# KiCad board PCB.kicad_pcb (continued)
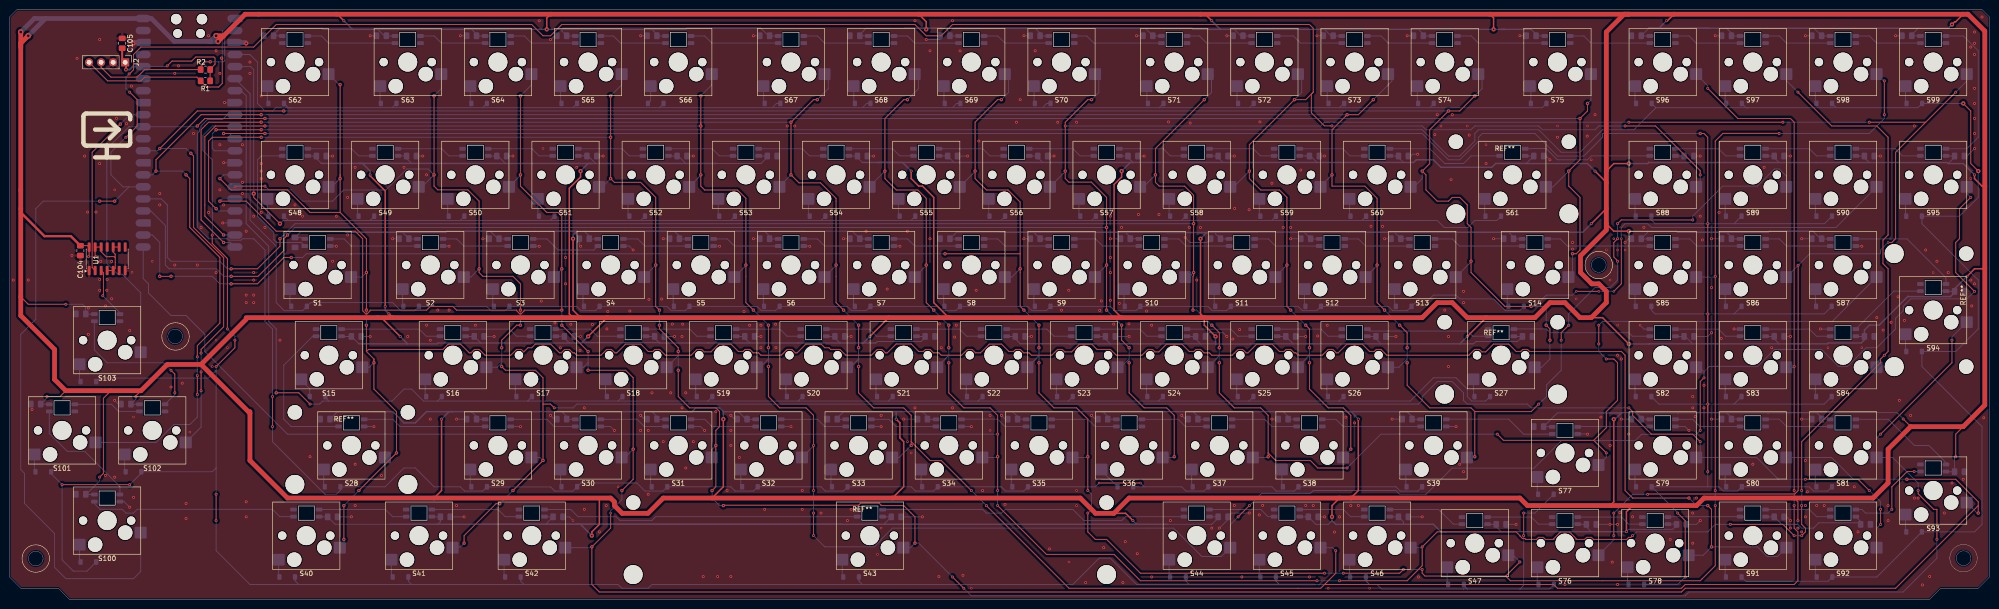
[diagram p0: board, top side]
## Routing (per net, layer and track width the routed paths; a pad name or vN(x,y) marks a point on that pad's centre or on a via; arc(x,y) is an arc through that point) (continued)
COL 9: length 527.6
  Top w0.2: v1(337.32,50.8) 338.91,50.8 339.7,50 339.7,42.07 337.32,39.69 337.32,36.28 334.66,33.62 ; v1(335.74,57.94) v1(335.74,53.97) ; v3(252.4,105.56) 242.08,95.24 v3(242.08,89.69) 242.08,88.1 242.87,87.31 248.22,87.31 250.14,85.39 v3(250.14,79.37) v3(250.14,69.05) 250.14,68.39 250.02,68.26 v3(250.02,61.11) ; v1(282.56,27.78) 276.38,27.78 274.79,29.37 267.48,29.37 265.89,30.95 ; v3(255.57,50) 255.57,43.65 258.75,40.48 264.3,40.48 265.89,38.89 265.89,30.95 ; 334.66,33.62 315.61,33.62 v1(314.31,34.92) ; 334.66,33.62 v1(337.32,30.95) ; v3(57.15,76.2) 57.15,74.61 52.38,69.85 v3(46.83,69.85) ; 265.89,30.95 v3(265.89,30.16) ; v3(253.98,57.94) 255.57,56.35 v3(255.57,53.18)
  Bottom w0.2: v1(335.74,53.97) 335.74,52.38 v1(337.32,50.8) ; v1(282.56,27.78) 289.7,34.92 v1(314.31,34.92) ; S77.1 337.32,30.06 v1(337.32,30.95) ; S37.1 265.73,30 v3(265.89,30.16) ; A1.25 32.07,84.61 33.34,83.34 33.34,72.23 34.13,71.43 44.45,71.43 46.03,69.85 v3(46.83,69.85) ; v1(335.74,57.94) 336.53,58.73 385.04,58.73 S87.1 ; 253.92,110.96 253.92,107.09 v3(252.4,105.56) ; S57.1 239.54,87.15 v3(242.08,89.69) ; v3(250.02,61.11) 250.81,61.11 v3(253.98,57.94) ; 255.57,51.49 v3(255.57,50) ; 255.57,51.49 S24.1 ; 255.57,51.49 v3(255.57,53.18) ; v3(250.14,79.37) 60.32,79.37 v3(57.15,76.2) ; S10.1 249.19,68.1 v3(250.14,69.05)
COL 10: length 649.8
  Top w0.2: 279.33,100.01 v1(279.35,100.03) 277.77,100.03 275.02,102.78 275.02,106.75 275.41,107.15 ; 275.41,107.15 273.83,105.56 v3(271.45,105.56) 261.92,96.04 v3(261.92,90.48) 261.92,88.89 264.33,86.48 268.3,86.48 269.86,84.93 v3(269.86,70.64) 269.86,61.91 v3(270.65,61.11) ; 275.41,107.15 275.41,120.64 274.62,121.44 199.22,121.44 196.84,119.06 193.66,119.06 191.28,121.44 116.67,121.44 114.29,119.06 112.71,119.06 110.32,121.44 56.35,121.44 51.59,116.67 27.78,116.67 26.19,115.09 26.19,111.86 25.33,111 v1(25.28,111) ; v3(274.62,53.18) 274.62,57.15 v3(273.83,57.94) ; v3(274.62,50) 274.62,44.45 278.59,40.48 281.76,40.48 283.35,38.89 v3(283.35,31.75) ; v1(25.4,107.15) 26.99,105.56 26.99,100.01 v1(24.6,97.63) ; v1(341.29,100.01) 347.72,100.01 357.17,90.56 v1(357.17,89.69) ; v3(19.04,84.13) v3(22.22,84.13)
  Bottom w0.2: S100.1 27.72,5.94 26.19,4.41 11.91,4.41 9.52,6.79 9.52,13.94 3.17,20.29 3.17,26.64 2.38,27.43 2.38,56 5.56,59.18 5.56,82.54 7.14,84.13 v3(19.04,84.13) ; S58.1 258.59,87.15 v3(261.92,90.48) ; 25.24,87.15 23.97,87.15 21.43,89.69 21.43,94.45 v1(24.6,97.63) ; 25.24,87.15 v3(22.22,84.13) ; 25.24,87.15 A1.26 ; v3(270.65,61.11) v3(273.83,57.94) ; 272.97,110.96 272.97,107.09 v3(271.45,105.56) ; v1(357.17,89.69) 357.17,88 S88.1 ; S38.1 283.35,31.65 v3(283.35,31.75) ; S11.1 267.43,68.21 v3(269.86,70.64) ; S25.1 272.18,49.15 274.62,51.59 ; v3(274.62,53.18) 274.62,51.59 ; 274.62,51.59 v3(274.62,50) ; v1(341.29,100.01) 335.74,100.01 334.94,99.21 323.83,99.21 323.04,100.01 309.54,100.01 308.75,99.21 299.22,99.21 298.43,100.01 279.38,100.01 v1(279.35,100.03) ; v1(25.28,111) 24.6,110.32 24.6,107.94 v1(25.4,107.15)
COL 11: length 575.5
  Top w0.2: v1(39.69,51.24) 39.69,53.62 44.45,58.38 44.45,72.23 38.1,78.58 38.1,88.89 v3(37.3,89.69) ; v1(339.7,71.43) 339.7,71.55 338.91,72.34 338.91,75.4 v1(339.7,76.2) ; v1(355.58,80.16) 340.5,80.16 v1(339.7,79.37) ; v1(323.04,41.27) 321.45,39.69 309.54,39.69 ; v3(295.26,50) 295.26,45.24 300.02,40.48 308.75,40.48 309.54,39.69 ; v3(295.26,53.18) 295.26,56.35 v3(293.67,57.94) ; v1(327.8,54.77) 327.8,56.35 v1(329.39,57.94) ; v3(309.54,30.16) 309.54,39.69 ; v3(290.49,61.11) 288.91,62.7 288.91,84.72 286.32,87.31 279.38,87.31 v3(279.38,89.69) 279.38,99.21 v3(282.56,102.39) 284.94,102.39 v3(288.11,105.56) ; v1(39.69,43.3) v1(39.69,47.27) ; v3(53.18,102.39) 40.48,102.39 30.95,92.86 v3(30.95,90.48)
  Bottom w0.2: S101.1 30.97,33.18 34.74,36.95 38.1,36.95 39.69,38.54 v1(39.69,43.3) ; v1(329.39,57.94) 329.39,60.32 334.94,65.88 338.12,65.88 339.7,67.46 v1(339.7,71.43) ; 295.26,50.8 293.51,49.05 291.23,49.05 ; 295.26,50.8 v3(295.26,53.18) ; 295.26,50.8 v3(295.26,50) ; v3(288.11,105.56) 292.02,109.47 292.02,110.96 ; v3(282.56,102.39) v3(53.18,102.39) ; v1(355.58,80.16) 355.58,80.96 361.93,87.31 369.22,87.31 372.83,90.91 373.86,90.91 375.36,89.42 S89.1 ; v1(39.69,47.27) v1(39.69,51.24) ; v3(290.49,61.11) v3(293.67,57.94) ; A1.27 30.16,89.69 v3(30.95,90.48) 36.51,90.48 v3(37.3,89.69) ; v3(279.38,89.69) 276.94,87.25 S59.1 ; S12.1 288.91,70.53 ; v3(309.54,30.16) 308.06,30.16 S39.1 ; v1(339.7,79.37) v1(339.7,76.2) ; v1(327.8,54.77) 327.8,48.42 324.71,45.33 324.71,44.36 324.69,44.34 324.69,42.86 323.9,42.07 323.83,42.07 v1(323.04,41.27)
  vias: v3(288.91,70.64)
COL 12: length 543.6
  Top w0.2: v3(321.45,61.91) 315.89,61.91 308.75,69.05 308.75,78.58 307.96,79.37 307.96,83.34 306.37,84.93 304.78,84.93 303.99,84.13 301.61,84.13 299.22,86.51 299.22,89.69 v3(298.43,90.48) 300.02,92.07 300.02,99.21 v3(303.99,103.18) 306.37,103.18 v3(309.54,106.36) ; v3(31.75,95.24) 39.69,103.18 v3(57.94,103.18) ; v3(324.62,57.94) 325.42,57.15 v3(325.42,54.77) ; v3(38.32,94.23) 38.89,93.66 38.89,78.58 45.24,72.23 45.24,57.59 40.48,52.83 v1(40.48,52.03) ; v2(330.97,65.08) v2(335.74,65.08) ; v2(338.91,65.08) 340.5,66.67 v2(340.5,76.2) ; v1(40.48,44.1) v1(40.48,48.07)
  Bottom w0.2: v1(40.48,44.1) 40.48,36.41 S102.1 ; 322.24,61.91 323.83,61.91 324.62,61.11 v3(324.62,57.94) ; 322.24,61.91 324.62,64.29 330.18,64.29 v2(330.97,65.08) ; 322.24,61.91 v3(321.45,61.91) ; v3(325.42,54.77) 325.42,50.8 323.67,49.05 S27.1 ; S13.1 308.75,71.32 v3(308.75,71.43) ; v3(298.43,90.48) 298.43,88.89 296.68,87.15 S60.1 ; v3(38.32,94.23) 37.3,95.24 v3(31.75,95.24) 31.27,94.77 A1.29 ; v3(303.99,103.18) v3(57.94,103.18) ; S90.1 385.84,78.58 346.85,78.58 346.05,79.37 341.29,79.37 340.5,78.58 v2(340.5,76.2) ; v1(40.48,48.07) v1(40.48,52.03) ; 311.07,110.96 311.07,107.88 v3(309.54,106.36) ; v2(338.91,65.08) v2(335.74,65.08)
COL 13: length 413.8
  Top w0.2: v3(53.97,101.59) 41.27,101.59 v3(39.69,100.01) ; v3(333.35,104.77) 333.35,103.18 v3(331.77,101.59) 331.77,92.86 v3(329.39,90.48) 329.39,87.31 331.77,84.93 331.77,73.81 330.97,73.02 v3(330.18,73.02)
  Bottom w0.2: v3(329.39,90.48) 326.05,87.15 S61.1 ; v3(333.35,104.77) 334.09,105.5 S75.1 ; v3(330.18,73.02) 330.18,68.95 S14.1 ; S103.1 27.72,64.79 23.81,68.7 22.9,68.7 20.57,71.04 20.57,95.18 25.24,99.85 A1.31 39.53,99.85 v3(39.69,100.01) ; v3(331.77,101.59) v3(53.97,101.59)
LED DATA: length 11
  Top w0.2: v1(19.71,64.15) 19.86,64.3 19.86,68.99 U1.3
  Bottom w0.2: D104.4 23.34,60.52 v1(19.71,64.15)
LED GPIO: length 39.3
  Top w0.2: U1.2 17.47,70.11 17.47,94.46 v3(23.41,100.4)
  Bottom w0.2: v3(23.41,100.4) 23.42,100.4 25.4,102.39 A1.32
O-SCL: length 37.9
  Top w0.2: v3(42.41,113.57) 41.4,113.57 40.39,112.56 R2.2 28.57,111.91 26.99,110.32 21.43,110.32 19.36,112.4 J2.3
  Bottom w0.2: v3(42.41,113.57) 45.25,113.57 45.46,113.77 45.46,119.41 46.22,120.17 A1.2
O-SDA: length 46.2
  Top w0.2: J2.4 20.73,109.53 27.78,109.53 28.57,110.32 39.59,110.32 R1.2 41.69,108.23 44.19,108.23 44.95,108.99 44.95,114.19 v3(44.81,114.33)
  Bottom w0.2: v3(44.81,114.33) 44.95,114.47 44.95,120.03 A1.1
ROW 0: length 308.1
  Bottom w0.2: D68.1 181.07,104.77 180.17,103.87 ; 261.92,103.87 262.82,104.77 D72.1 ; D73.1 281.87,104.77 280.97,103.87 ; 218.27,103.91 219.12,104.77 D70.1 ; 199.22,103.91 200.07,104.77 D69.1 ; 99.96,103.87 D64.1 ; 99.96,103.87 80.85,103.87 ; 99.96,103.87 119.01,103.87 119.09,103.94 ; D75.1 323.78,103.87 137.31,103.87 ; D66.1 138.17,104.72 137.31,103.87 ; 161.12,103.87 162.02,104.77 D67.1 ; 80.85,103.87 D63.1 ; 80.85,103.87 59.53,103.87 ; 242.87,103.87 243.77,104.77 D71.1 ; 137.31,103.87 119.16,103.87 119.09,103.94 ; 119.09,103.94 D65.1 ; 59.53,103.87 58.9,103.87 D62.1 ; 59.53,103.87 56.25,103.87 55.56,103.18 53.97,103.18 52.38,104.77 52.38,113.5 50.8,115.09 A1.4 ; 300.02,103.87 300.87,104.72 D74.1
ROW 1: length 315.4
  Top w0.2: v4(51.59,85.72) 51.59,84.93 v4(57.15,79.37)
  Bottom w0.2: 228.6,80.06 247.59,80.06 ; 228.6,80.06 209.43,80.06 ; 228.6,80.06 D57.1 ; 247.59,80.06 D58.1 ; 247.59,80.06 266.64,80.06 ; 266.64,80.06 D59.1 ; 266.64,80.06 285.69,80.06 ; 95.2,80.06 114.25,80.06 ; 95.2,80.06 76.3,80.06 76.23,80.13 ; 95.2,80.06 D50.1 ; 114.25,80.06 133.36,80.06 ; 114.25,80.06 D51.1 ; 209.43,80.06 D56.1 ; 209.43,80.06 190.44,80.06 ; 133.36,80.06 D52.1 ; 133.36,80.06 152.34,80.06 ; v4(51.59,85.72) 51.59,111.91 50.96,112.55 A1.5 ; 58.9,80.06 57.83,80.06 v4(57.15,79.37) ; 58.9,80.06 D48.1 ; 58.9,80.06 76.15,80.06 76.23,80.13 ; 190.44,80.06 D55.1 ; 190.44,80.06 171.46,80.06 ; 171.46,80.06 D54.1 ; 171.46,80.06 152.34,80.06 ; D61.1 314.2,80.06 309.54,80.06 308.06,78.58 303.09,78.58 301.61,80.06 285.69,80.06 ; 285.69,80.06 D60.1 ; 76.23,80.13 D49.1 ; 152.34,80.06 D53.1
ROW 2: length 327.9
  Bottom w0.2: D14.1 319.02,61.01 316,61.01 313.51,63.5 306.37,63.5 305.57,64.29 300.81,64.29 300.02,63.5 297.76,63.5 D13.1 295.27,61.01 292.19,61.01 291.29,61.91 D12.1 276.16,61.01 273.14,61.01 272.24,61.91 D11.1 257.11,61.01 254.09,61.01 253.19,61.91 D10.1 238,61.01 233.46,61.01 232.55,61.91 D9.1 219.02,61.01 215.99,61.01 215.09,61.91 D8.1 199.9,61.01 196.94,61.01 196.04,61.91 D7.1 180.98,61.01 177.9,61.01 177,61.91 D6.1 161.81,61.01 158.85,61.01 157.95,61.91 D5.1 142.76,61.01 139.8,61.01 138.9,61.91 D4.1 123.77,61.01 120.75,61.01 119.85,61.91 D3.1 104.72,61.01 101.7,61.01 100.8,61.91 D2.1 85.61,61.01 82.65,61.01 80.96,62.7 63.62,62.7 D1.1 61.93,61.01 58.05,61.01 56.35,62.7 56.35,74.61 50.84,80.12 50.84,106.8 A1.6
ROW 3: length 349.2
  Top w0.2: v1(63.5,41.27) 61.11,43.65 v3(56.35,43.65)
  Bottom w0.2: 185.63,41.91 166.83,41.91 166.71,42.04 ; 185.63,41.91 204.62,41.91 ; 185.63,41.91 D21.1 ; 67.46,41.91 66.16,41.91 65.52,41.27 v1(63.5,41.27) ; 67.46,41.91 66.73,42.64 D15.1 ; 67.46,41.91 80.8,41.91 83.34,44.45 84.93,44.45 87.46,41.91 90.39,41.91 ; 147.53,41.91 166.58,41.91 166.71,42.04 ; 147.53,41.91 D19.1 ; 147.53,41.91 128.55,41.91 ; 261.83,41.91 D25.1 ; 261.83,41.91 280.87,41.91 ; 261.83,41.91 242.71,41.91 ; 280.87,41.91 295.89,41.91 300.81,46.83 305.57,46.83 307.96,44.45 307.96,42.86 308.91,41.91 311.83,41.91 D27.1 ; 280.87,41.91 D26.1 ; v3(56.35,43.65) 56.35,57.15 54.77,58.73 54.77,74.61 50,79.37 50,106.36 48.89,107.47 A1.7 ; 128.55,41.91 109.69,41.91 109.56,42.04 ; 128.55,41.91 D18.1 ; 90.39,41.91 109.43,41.91 109.56,42.04 ; 90.39,41.91 D16.1 ; 204.62,41.91 D22.1 ; 204.62,41.91 223.66,41.91 ; 166.71,42.04 D20.1 ; 109.56,42.04 D17.1 ; 242.71,41.91 D24.1 ; 242.71,41.91 223.66,41.91 ; 223.66,41.91 D23.1
ROW 4: length 350.5
  Top w0.2: v2(230.17,24.6) v2(238.9,24.6) ; v1(55.56,42.86) v1(55.56,36.51)
  Bottom w0.2: D36.1 239.7,23.81 ; 239.7,23.81 247.63,23.81 248.54,22.91 252.35,22.91 D37.1 266.68,23.81 267.58,22.91 271.4,22.91 D38.1 292.88,23.81 293.78,22.91 297.53,22.91 D39.1 ; 239.7,23.81 v2(238.9,24.6) ; v2(230.17,24.6) 229.38,23.81 D35.1 214.25,22.91 210.44,22.91 209.54,23.81 D34.1 195.2,22.91 191.39,22.91 190.49,23.81 D33.1 176.16,22.91 172.34,22.91 171.44,23.81 D32.1 157.17,22.91 153.29,22.91 152.39,23.81 D31.1 138.06,22.91 134.24,22.91 132.55,24.6 120.7,24.6 D30.1 119.01,22.91 115.19,22.91 114.29,23.81 114.26,23.78 100.89,23.78 D29.1 99.96,22.91 96.15,22.91 95.24,23.81 89.69,23.81 85.72,27.78 83.34,27.78 79.37,23.81 D28.1 69.91,23.08 69.05,22.22 66.67,22.22 55.56,33.34 v1(55.56,36.51) ; A1.9 46.03,102.39 45.02,101.37 41.85,101.37 40.48,100.01 40.48,99.69 40.13,99.34 40.13,98.86 39.69,98.42 39.69,78.58 42.07,76.2 46.06,76.2 46.37,75.89 48.88,75.89 49.19,76.2 51.59,76.2 53.97,73.81 53.97,58.73 55.56,57.15 v1(55.56,42.86)
ROW 5: length 526.9
  Top w0.2: v1(11.11,24.26) v1(25.4,24.26) ; v1(43.65,49.21) 47.62,53.18 v1(47.62,54.77) ; v1(319.86,18.26) v1(319.86,13.49) ; v1(43.65,16.67) v1(43.65,22.22) ; v1(42.83,76.96) 42.83,75.2 46.03,72 v1(46.03,57.15)
  Bottom w0.2: D100.1 16.38,6 13.49,6 11.11,8.38 v1(11.11,24.26) 8.79,26.57 D101.1 ; 268.27,3.17 267.54,3.91 D45.1 ; 268.27,3.17 249.22,3.17 ; 268.27,3.17 287.32,3.17 ; D46.1 286.52,3.97 287.32,3.17 ; 326.27,2.92 D76.1 325.29,2.19 319.07,2.19 ; D103.1 19.05,46.77 42.01,46.77 43.65,48.42 ; 249.22,3.17 238.11,3.17 232.55,8.73 230.17,8.73 224.62,3.17 180.17,3.17 ; 249.22,3.17 248.49,3.91 D44.1 ; D40.1 60.32,3.97 61.11,3.17 68.26,3.17 ; v1(319.86,13.49) 319.86,2.98 319.07,2.19 ; 43.65,48.42 v1(43.65,49.21) ; 43.65,48.42 43.65,27.78 ; 68.26,3.17 50.8,3.17 43.65,10.32 v1(43.65,16.67) ; 68.26,3.17 84.93,3.17 ; D42.1 108,3.91 108.74,3.17 ; v1(46.03,57.15) 47.62,55.56 v1(47.62,54.77) ; 287.32,3.17 288.91,3.17 289.89,2.19 307.96,2.19 ; v1(25.4,24.26) 27.84,26.7 D102.1 42.86,26.99 43.65,27.78 ; 180.17,3.17 179.44,3.91 D43.1 ; 180.17,3.17 135.72,3.17 134.93,2.38 129.37,2.38 128.58,3.17 108.74,3.17 ; D47.1 307.22,2.92 307.96,2.19 ; 319.07,2.19 307.96,2.19 ; 108.74,3.17 84.93,3.17 ; D77.1 322.24,18.26 v1(319.86,18.26) ; v1(43.65,22.22) 43.65,27.78 ; v1(42.83,76.96) 42.86,76.99 42.86,92.86 40.89,94.84 40.89,98.03 42.86,100.01 47.47,100.01 A1.10 ; 84.93,3.17 84.26,3.84 D41.1 ; 18.26,45.69 18.21,45.73
ROW 6: length 600.8
  Top w0.2: 358.75,78.58 358.75,97.63 357.96,98.42 v3(357.17,98.42) ; 358.75,78.58 358.75,58.73 ; 358.75,78.58 v1(358.75,79.37) ; 358.75,39.69 358.75,58.73 ; 358.75,39.69 v1(358.75,41.27) ; 358.75,39.69 v1(358.75,26.99) ; 358.75,58.73 v1(358.75,60.32) ; v3(53.97,98.42) v3(45.24,98.42) ; v1(352.4,18.26) 353.99,16.67 v1(353.99,4.76)
  Bottom w0.2: 364.31,41.27 D83.1 ; 364.31,41.27 v1(358.75,41.27) 348.43,41.27 D82.1 ; 364.31,41.27 383.36,41.27 D84.1 ; 358.75,23.81 361.13,23.81 362.03,22.91 365.06,22.91 D80.1 380.18,23.81 381.08,22.91 384.1,22.91 D81.1 ; 358.75,23.81 v1(358.75,26.99) ; 358.75,23.81 D79.1 352.4,18.32 v1(352.4,18.26) ; 364.31,79.37 D89.1 ; 364.31,79.37 v1(358.75,79.37) 347.64,79.37 346.85,80.16 D88.1 ; 364.31,79.37 383.42,79.37 D90.1 ; 364.31,60.32 383.36,60.32 D87.1 ; 364.31,60.32 D86.1 ; 364.31,60.32 v1(358.75,60.32) 347.64,60.32 346.85,61.12 D85.1 ; v3(53.97,98.42) 298.43,98.42 303.99,92.86 306.37,92.86 310.34,96.83 310.34,97.63 311.13,98.42 322.24,98.42 327,93.66 332.56,93.66 336.53,97.63 336.53,98.42 v3(357.17,98.42) ; D78.1 352.4,3.17 v1(353.99,4.76) ; A1.11 46.52,98.42 v3(45.24,98.42)
ROW 7: length 569.7
  Top w0.2: v4(412.72,104.77) 414.31,103.18 414.31,92.07 v4(415.9,90.48) ; v3(53.18,99.21) v3(43.65,99.21)
  Bottom w0.2: v4(415.9,90.48) 415.9,84.93 411.93,80.96 D95.1 403.99,79.37 415.9,67.46 415.9,57.15 411.14,52.38 D94.1 403.99,49.21 416.69,36.51 416.69,15.87 415.11,14.29 D93.1 394.47,4.76 D92.1 384.17,3.86 366.8,3.86 D91.1 ; 367.48,103.87 366.86,103.87 D97.1 ; 367.48,103.87 385.63,103.87 385.77,104.01 ; 367.48,103.87 347.81,103.87 ; 385.77,104.01 D98.1 ; 385.77,104.01 385.91,103.87 403.15,103.87 D99.1 v4(412.72,104.77) ; v3(43.65,99.21) 42.86,98.42 42.86,95.24 43.34,94.77 A1.12 ; 347.81,103.87 343.15,99.21 336.53,99.21 331.77,94.45 327.8,94.45 323.04,99.21 310.34,99.21 309.54,98.42 309.54,96.83 306.37,93.66 303.99,93.66 298.43,99.21 v3(53.18,99.21) ; 347.81,103.87 D96.1
Net-(D1-A): length 3.8
  Bottom w0.2: S1.2 59.24,62.19 D1.2
Net-(D2-A): length 3.7
  Bottom w0.2: D2.2 83.05,62.07 S2.2
Net-(D3-A): length 3.7
  Bottom w0.2: D3.2 102.1,62.13 S3.2
Net-(D4-A): length 3.7
  Bottom w0.2: S4.2 121.15,62.13 D4.2
Net-(D5-A): length 3.7
  Bottom w0.2: S5.2 140.2,62.07 D5.2
Net-(D6-A): length 3.7
  Bottom w0.2: D6.2 159.25,62.06 S6.2
Net-(D7-A): length 3.8
  Bottom w0.2: D7.2 178.3,62.19 S7.2
Net-(D8-A): length 3.7
  Bottom w0.2: S8.2 197.35,62.06 D8.2
Net-(D9-A): length 3.7
  Bottom w0.2: S9.2 216.4,62.12 D9.2
Net-(D10-A): length 3.7
  Bottom w0.2: D10.2 235.45,62.06 S10.2
Net-(D11-A): length 3.7
  Bottom w0.2: D11.2 254.5,62.12 S11.2
Net-(D12-A): length 3.7
  Bottom w0.2: S12.2 273.55,62.12 D12.2
Net-(D13-A): length 3.8
  Bottom w0.2: S13.2 292.6,62.18 D13.2
Net-(D14-A): length 3.7
  Bottom w0.2: S14.2 316.4,62.13 D14.2
Net-(D15-A): length 4.5
  Bottom w0.2: S15.2 61.62,46.32 63.5,44.45 63.43,44.38 D15.2
Net-(D16-A): length 3.7
  Bottom w0.2: S16.2 87.81,43.08 D16.2
Net-(D17-A): length 3.7
  Bottom w0.2: S17.2 106.86,43.08 D17.2
Net-(D18-A): length 3.8
  Bottom w0.2: D18.2 125.91,43.15 S18.2
Net-(D19-A): length 3.7
  Bottom w0.2: S19.2 144.96,43.08 D19.2
Net-(D20-A): length 3.7
  Bottom w0.2: S20.2 164.01,43.08 D20.2
Net-(D21-A): length 3.7
  Bottom w0.2: D21.2 183.06,43.08 S21.2
Net-(D22-A): length 3.7
  Bottom w0.2: S22.2 202.11,43.02 D22.2
Net-(D23-A): length 3.7
  Bottom w0.2: D23.2 221.16,43.02 S23.2
Net-(D24-A): length 3.7
  Bottom w0.2: S24.2 240.2,43.02 D24.2
Net-(D25-A): length 3.7
  Bottom w0.2: D25.2 259.25,43.08 S25.2
Net-(D26-A): length 3.7
  Bottom w0.2: D26.2 278.3,43.08 S26.2
Net-(D27-A): length 3.7
  Bottom w0.2: D27.2 309.26,43.08 S27.2
Net-(D28-A): length 3.7
  Bottom w0.2: D28.2 66.38,24.03 S28.2
Net-(D29-A): length 3.7
  Bottom w0.2: S29.2 97.34,24.03 D29.2
Net-(D30-A): length 3.7
  Bottom w0.2: S30.2 116.39,24.03 D30.2
Net-(D31-A): length 3.7
  Bottom w0.2: D31.2 135.44,24.03 S31.2
Net-(D32-A): length 3.8
  Bottom w0.2: S32.2 154.48,24.1 D32.2
Net-(D33-A): length 3.7
  Bottom w0.2: S33.2 173.53,24.03 D33.2
Net-(D34-A): length 3.7
  Bottom w0.2: S34.2 192.58,24.03 D34.2
Net-(D35-A): length 3.7
  Bottom w0.2: D35.2 211.63,24.03 S35.2
Net-(D36-A): length 5.1
  Bottom w0.2: S36.2 230.68,27.21 D36.2
Net-(D37-A): length 3.7
  Bottom w0.2: D37.2 249.73,24.03 S37.2
Net-(D38-A): length 3.7
  Bottom w0.2: S38.2 268.78,24.03 D38.2
Net-(D39-A): length 3.7
  Bottom w0.2: D39.2 294.97,23.97 S39.2
Net-(D40-A): length 3.7
  Bottom w0.2: D40.2 56.86,4.92 S40.2
Net-(D41-A): length 3.8
  Bottom w0.2: D41.2 80.67,5.05 S41.2
Net-(D42-A): length 3.7
  Bottom w0.2: S42.2 104.48,4.99 D42.2
Net-(D43-A): length 3.7
  Bottom w0.2: S43.2 175.91,4.99 D43.2
Net-(D44-A): length 3.7
  Bottom w0.2: S44.2 244.97,4.99 D44.2
Net-(D45-A): length 3.7
  Bottom w0.2: S45.2 264.01,4.99 D45.2
Net-(D46-A): length 3.7
  Bottom w0.2: S46.2 283.06,4.92 D46.2
Net-(D47-A): length 3.7
  Bottom w0.2: S47.2 303.7,3.4 D47.2
Net-(D48-A): length 3.7
  Bottom w0.2: S48.2 54.48,81.18 D48.2
Net-(D49-A): length 3.7
  Bottom w0.2: S49.2 73.53,81.18 D49.2
Net-(D50-A): length 3.7
  Bottom w0.2: D50.2 92.58,81.18 S50.2
Net-(D51-A): length 3.7
  Bottom w0.2: D51.2 111.62,81.18 111.62,84.61
Net-(D52-A): length 3.8
  Bottom w0.2: S52.2 130.67,81.24 D52.2
Net-(D53-A): length 3.7
  Bottom w0.2: D53.2 149.72,81.18 S53.2
Net-(D54-A): length 3.8
  Bottom w0.2: D54.2 168.77,81.24 S54.2
Net-(D55-A): length 3.7
  Bottom w0.2: S55.2 187.82,81.18 D55.2
Net-(D56-A): length 3.7
  Bottom w0.2: S56.2 206.87,81.12 D56.2
Net-(D57-A): length 3.8
  Bottom w0.2: S57.2 225.92,81.24 D57.2
Net-(D58-A): length 3.7
  Bottom w0.2: D58.2 244.97,81.18 S58.2
Net-(D59-A): length 3.7
  Bottom w0.2: D59.2 264.01,81.18 S59.2
Net-(D60-A): length 3.7
  Bottom w0.2: D60.2 283.06,81.18 S60.2
Net-(D61-A): length 3.7
  Bottom w0.2: D61.2 311.64,81.12 S61.2
Net-(D62-A): length 3.7
  Bottom w0.2: D62.2 54.48,104.99 S62.2
Net-(D63-A): length 3.7
  Bottom w0.2: D63.2 78.29,104.93 S63.2
Net-(D64-A): length 3.7
  Bottom w0.2: D64.2 97.34,104.99 S64.2
Net-(D65-A): length 3.7
  Bottom w0.2: S65.2 116.39,104.99 D65.2
Net-(D66-A): length 3.9
  Bottom w0.2: S66.2 135.44,105.34 D66.2
Net-(D67-A): length 3.4
  Bottom w0.2: 159.31,108.42 159.31,104.99
Net-(D68-A): length 3.4
  Bottom w0.2: 178.36,108.42 178.36,104.99
Net-(D69-A): length 3.5
  Bottom w0.2: 197.41,108.42 197.41,104.93
Net-(D70-A): length 3.5
  Bottom w0.2: 216.46,108.42 216.46,104.93
Net-(D71-A): length 3.4
  Bottom w0.2: 240.27,108.42 240.27,104.99
Net-(D72-A): length 3.4
  Bottom w0.2: 259.32,108.42 259.32,104.99
Net-(D73-A): length 3.4
  Bottom w0.2: 278.37,108.42 278.37,105.05
Net-(D74-A): length 3.5
  Bottom w0.2: 297.41,108.42 297.41,104.93
Net-(D75-A): length 3.7
  Bottom w0.2: 321.16,108.42 321.39,108.2 D75.2
Net-(D76-A): length 3.7
  Bottom w0.2: D76.2 322.75,3.4 S76.2
Net-(D77-A): length 3.7
  Bottom w0.2: D77.2 322.75,22.38 S77.2
Net-(D78-A): length 3.7
  Bottom w0.2: S78.2 341.8,3.4 D78.2
Net-(D79-A): length 3.7
  Bottom w0.2: D79.2 343.38,24.03 S79.2
Net-(D80-A): length 3.7
  Bottom w0.2: S80.2 362.43,24.03 D80.2
Net-(D81-A): length 3.7
  Bottom w0.2: 381.48,27.46 381.48,24.03 D81.2
Net-(D82-A): length 3.7
  Bottom w0.2: D82.2 343.38,43.02 S82.2
Net-(D83-A): length 3.7
  Bottom w0.2: D83.2 362.43,43.02 S83.2
Net-(D84-A): length 3.7
  Bottom w0.2: 381.48,46.51 381.48,43.02 D84.2
Net-(D85-A): length 3.7
  Bottom w0.2: S85.2 343.38,62.07 D85.2
Net-(D86-A): length 3.7
  Bottom w0.2: D86.2 362.43,62.07 S86.2
Net-(D87-A): length 3.7
  Bottom w0.2: 381.48,65.56 381.48,62.07 D87.2
Net-(D88-A): length 3.7
  Bottom w0.2: D88.2 343.38,81.12 S88.2
Net-(D89-A): length 3.7
  Bottom w0.2: D89.2 362.43,81.12 S89.2
Net-(D90-A): length 3.7
  Bottom w0.2: D90.2 381.48,81.18 381.48,84.61
Net-(D91-A): length 3.7
  Bottom w0.2: D91.2 362.43,4.92 S91.2
Net-(D92-A): length 3.8
  Bottom w0.2: 381.48,8.41 381.48,5.05 D92.2
Net-(D93-A): length 3.7
  Bottom w0.2: S93.2 400.53,14.45 D93.2
Net-(D94-A): length 3.7
  Bottom w0.2: S94.2 400.53,52.55 D94.2
Net-(D95-A): length 3.7
  Bottom w0.2: S95.2 400.53,81.12 D95.2
Net-(D96-A): length 3.7
  Bottom w0.2: S96.2 343.38,104.99 D96.2
Net-(D97-A): length 3.7
  Bottom w0.2: D97.2 362.43,104.99 S97.2
Net-(D98-A): length 3.7
  Bottom w0.2: 381.48,108.42 381.48,104.99 D98.2
Net-(D99-A): length 3.7
  Bottom w0.2: S99.2 400.53,104.99 D99.2
Net-(D100-A): length 3.7
  Bottom w0.2: D100.2 14.79,8.16 S100.2
Net-(D101-A): length 3.7
  Bottom w0.2: S101.2 5.27,27.21 D101.2
Net-(D102-A): length 3.7
  Bottom w0.2: D102.2 24.32,27.21 S102.2
Net-(D103-A): length 3.7
  Bottom w0.2: D103.2 14.79,46.26 S103.2
Net-(D104-DOUT): length 32.4
  Top w0.2: v1(34.92,43.65) 34.92,47.62 v1(34.13,48.42)
  Bottom w0.2: D104.2 17.94,52.7 20.64,50 32.54,50 v1(34.13,48.42) ; D105.4 34.92,43.29 v1(34.92,43.65)
Net-(D105-DOUT): length 14.3
  Bottom w0.2: D106.4 21.56,41.23 23.06,39.73 D105.2
Net-(D106-DOUT): length 25.9
  Bottom w0.2: D107.4 23.34,23.85 15.89,31.3 12.2,31.3 8.41,35.09 D106.2
Net-(D107-DOUT): length 44.3
  Bottom w0.2: D108.4 57.1,17.51 55.56,19.05 26.99,19.05 26.19,18.26 24.6,18.26 23.81,19.05 19.16,19.05 17.94,20.27 D107.2
Net-(D108-DOUT): length 19
  Bottom w0.2: D109.4 80.91,17.51 79.41,19.01 D108.2
Net-(D109-DOUT): length 19
  Bottom w0.2: D110.4 104.72,17.51 103.22,19.01 D109.2
Net-(D110-DOUT): length 67.3
  Bottom w0.2: D111.4 136.52,17.51 135.68,16.67 128.98,16.67 128.14,17.51 120.08,17.51 118.58,19.01 D110.2
Net-(D111-DOUT): length 65.6
  Bottom w0.2: D111.2 205.61,19.01 206.36,18.26 209.58,18.26 210.33,19.01 224.66,19.01 227,16.67 234.94,16.67 235.77,17.51 D112.4
Net-(D112-DOUT): length 14.3
  Bottom w0.2: D112.2 264.35,19.01 265.85,17.51 D113.4
Net-(D113-DOUT): length 14.3
  Bottom w0.2: D113.2 281.81,19.01 283.31,17.51 D114.4
Net-(D114-DOUT): length 16.5
  Bottom w0.2: D115.4 305,15.92 301.91,19.01 D114.2
Net-(D115-DOUT): length 14.3
  Bottom w0.2: D115.2 321.49,17.42 322.99,15.92 D116.4
Net-(D116-DOUT): length 14.3
  Bottom w0.2: D117.4 342.04,15.92 340.54,17.42 D116.2
Net-(D117-DOUT): length 15.3
  Bottom w0.2: D117.2 350.43,17.51 D118.4
Net-(D118-DOUT): length 14.3
  Bottom w0.2: D119.4 381.73,17.51 380.23,19.01 D118.2
Net-(D119-DOUT): length 20.4
  Top w0.2: v1(402.36,27.03) 400.86,27.03 397.64,23.81 v1(397.64,19.05)
  Bottom w0.2: D119.2 391.34,19.01 392.09,18.26 396.85,18.26 v1(397.64,19.05) ; v1(402.36,27.03) D120.4
Net-(D120-DOUT): length 23.2
  Bottom w0.2: D120.2 409.07,28.94 405.47,32.54 402.41,32.54 396.89,38.05 D121.4
Net-(D121-DOUT): length 14.3
  Bottom w0.2: D121.2 375.38,36.55 373.83,38.1 371.02,38.1 D122.4
Net-(D122-DOUT): length 14.3
  Bottom w0.2: D122.2 357.08,36.55 355.58,38.05 D123.4
Net-(D123-DOUT): length 15.3
  Bottom w0.2: D124.4 331.38,36.55 D123.2
Net-(D124-DOUT): length 23.7
  Bottom w0.2: D124.2 325.85,34.92 319.86,34.92 316.69,38.1 303.56,38.1 D125.4
Net-(D125-DOUT): length 21.4
  Bottom w0.2: D125.2 281.72,36.55 280.22,38.05 D126.4
Net-(D126-DOUT): length 14.3
  Bottom w0.2: D127.4 265.14,38.05 266.64,36.55 D126.2
Net-(D127-DOUT): length 14.3
  Bottom w0.2: D128.4 246.88,38.05 248.38,36.55 D127.2
Net-(D128-DOUT): length 14.3
  Bottom w0.2: D129.4 227.84,38.05 229.34,36.55 D128.2
Net-(D129-DOUT): length 14.3
  Bottom w0.2: D130.4 201.17,38.1 208.74,38.1 210.29,36.55 D129.2
Net-(D130-DOUT): length 14.3
  Bottom w0.2: D131.4 185.77,38.05 187.27,36.55 D130.2
Net-(D131-DOUT): length 14.3
  Bottom w0.2: D131.2 172.19,36.55 170.69,38.05 D132.4
Net-(D132-DOUT): length 14.3
  Bottom w0.2: D133.4 146.88,38.05 148.38,36.55 D132.2
Net-(D133-DOUT): length 14.3
  Bottom w0.2: D134.4 132.59,38.05 134.09,36.55 D133.2
Net-(D134-DOUT): length 14.3
  Bottom w0.2: D135.4 113.54,38.05 115.04,36.55 D134.2
Net-(D135-DOUT): length 26.2
  Bottom w0.2: D136.4 81,38.05 82.5,36.55 D135.2
Net-(D136-DOUT): length 33
  Bottom w0.2: D137.4 64.06,55.6 57.94,49.48 57.94,38.1 59.48,36.55 D136.2
Net-(D137-DOUT): length 21.4
  Bottom w0.2: D138.4 88.06,55.6 86.56,57.1 D137.2
Net-(D138-DOUT): length 14.3
  Bottom w0.2: D138.2 105.61,57.1 107.11,55.6 D139.4
Net-(D139-DOUT): length 14.3
  Bottom w0.2: D139.2 122.67,57.1 124.17,55.6 D140.4
Net-(D140-DOUT): length 14.3
  Bottom w0.2: D141.4 145.2,55.6 143.7,57.1 D140.2
Net-(D141-DOUT): length 14.3
  Bottom w0.2: D141.2 162.75,57.1 164.25,55.6 D142.4
Net-(D142-DOUT): length 14.3
  Bottom w0.2: D142.2 181.66,57.1 183.16,55.6 D143.4
Net-(D143-DOUT): length 14.3
  Bottom w0.2: D143.2 200.71,57.1 202.21,55.6 D144.4
Net-(D144-DOUT): length 14.3
  Bottom w0.2: D144.2 219.15,57.1 220.65,55.6 D145.4
